# Altium PCB PCB1.PcbDoc (part 1 of 2)
Units mm, origin at the board's own origin, x right, y up, seen from the top; angles counter-clockwise.
Board outline 219.9 x 145 mm, 4 copper layers (Top Layer, AGND, PWR, Bottom Layer), stack 1.747 mm thick; 340 components, 222 nets, 908 pads, 20 vias.
Unrouted connection lines stored in the file: 617.
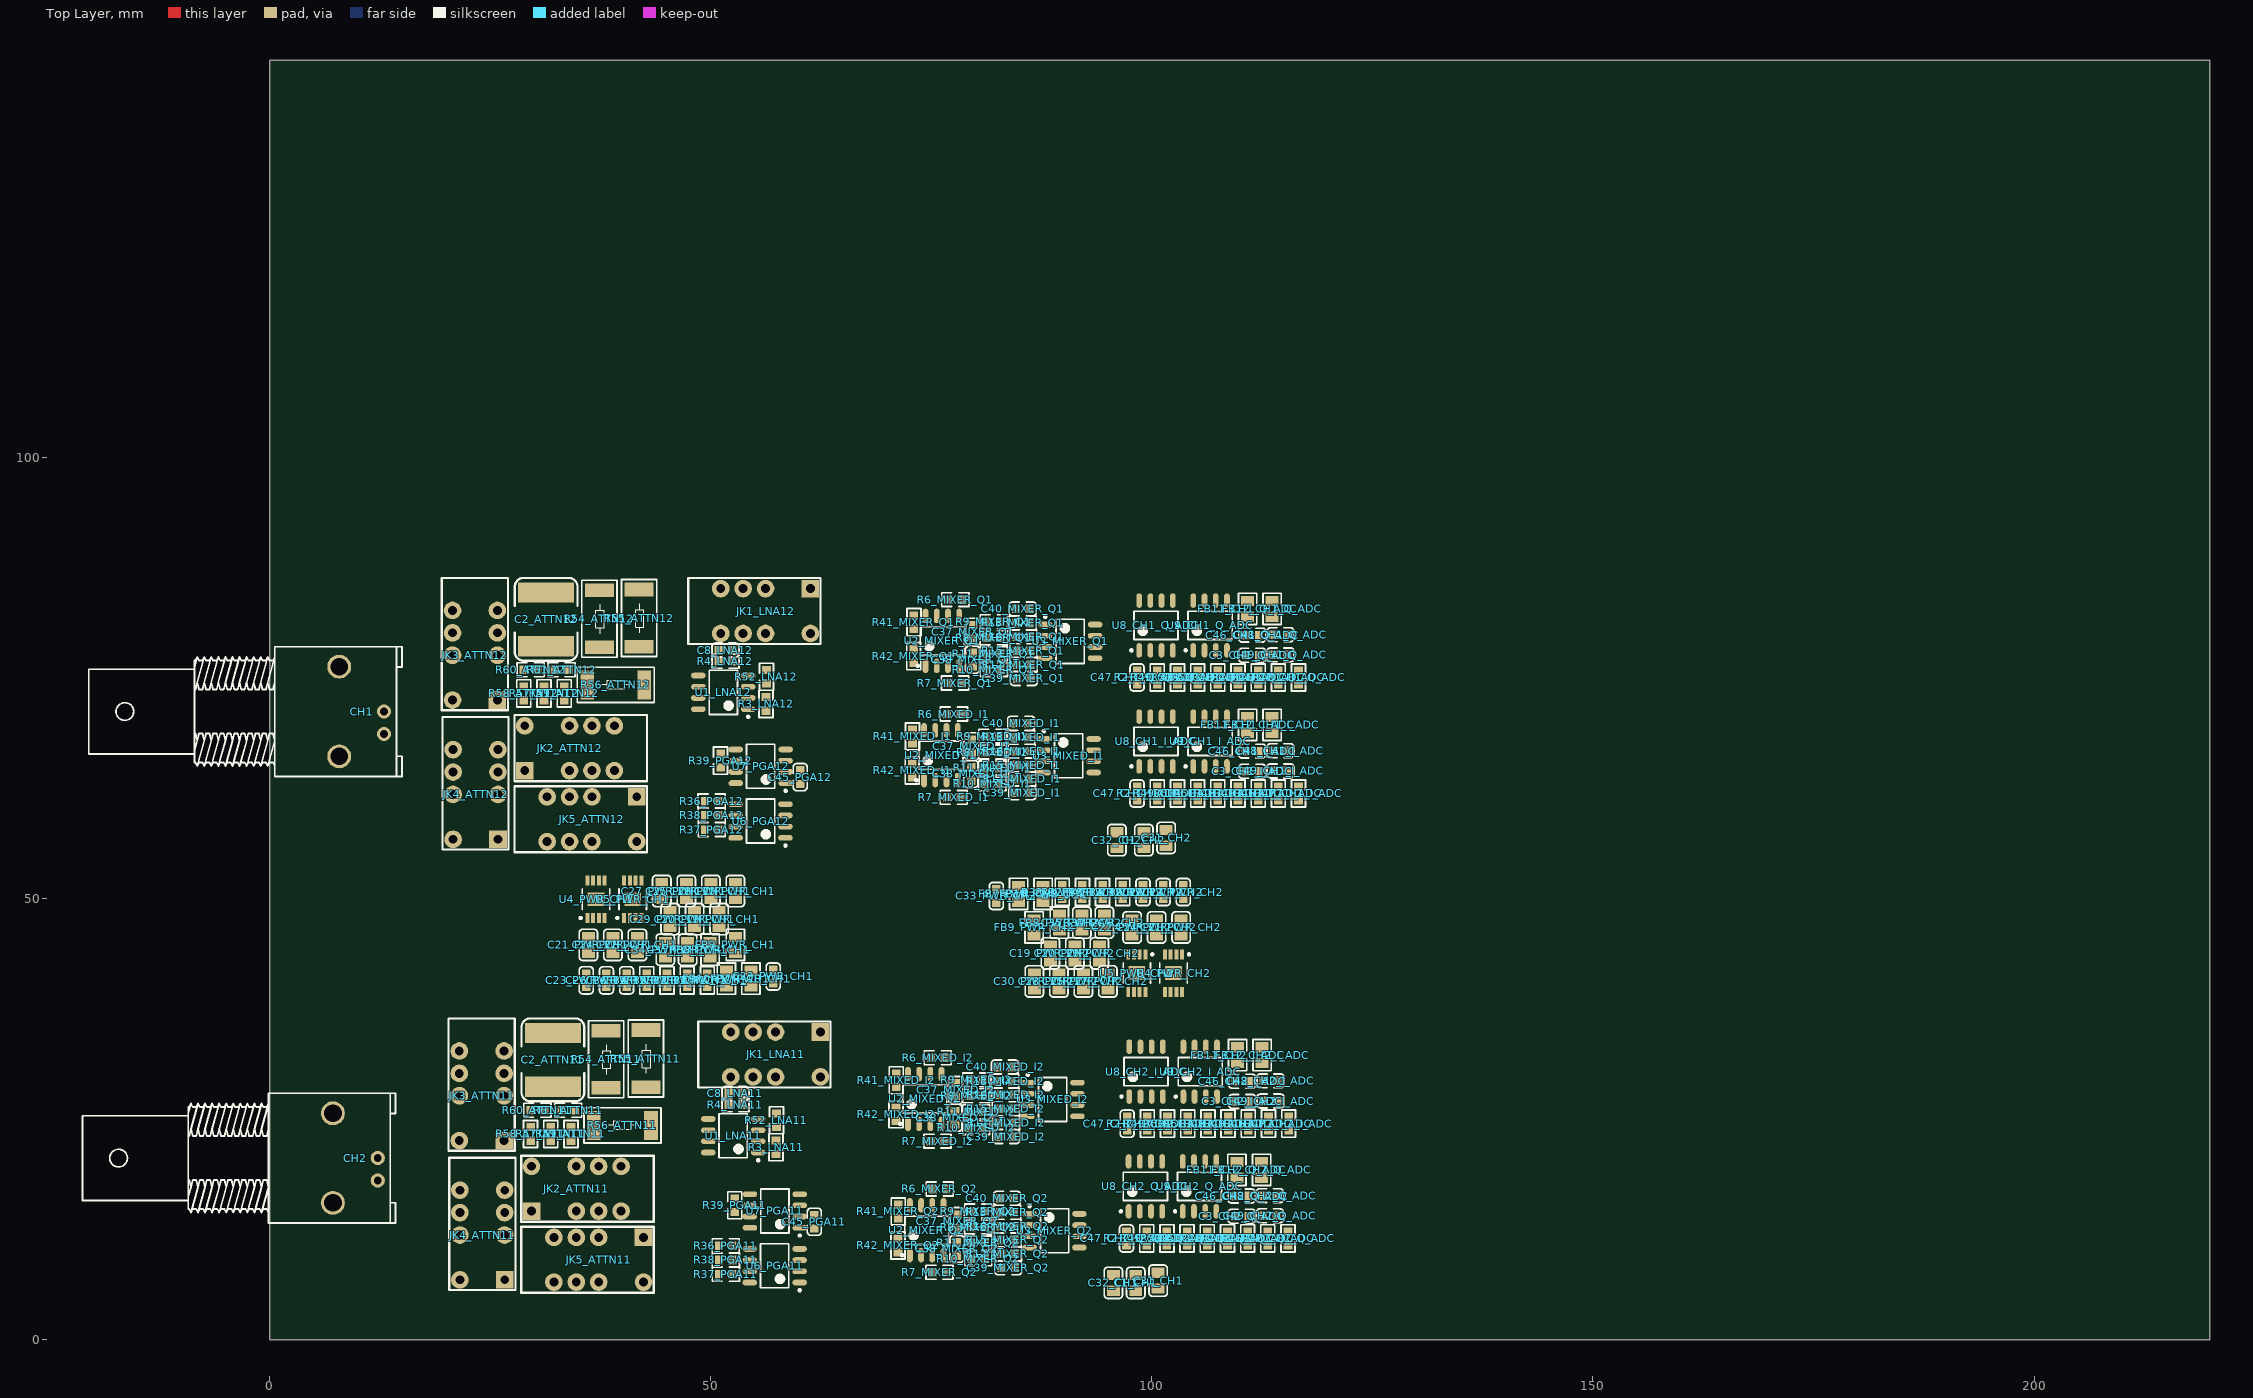
[diagram p0: Top Layer view]
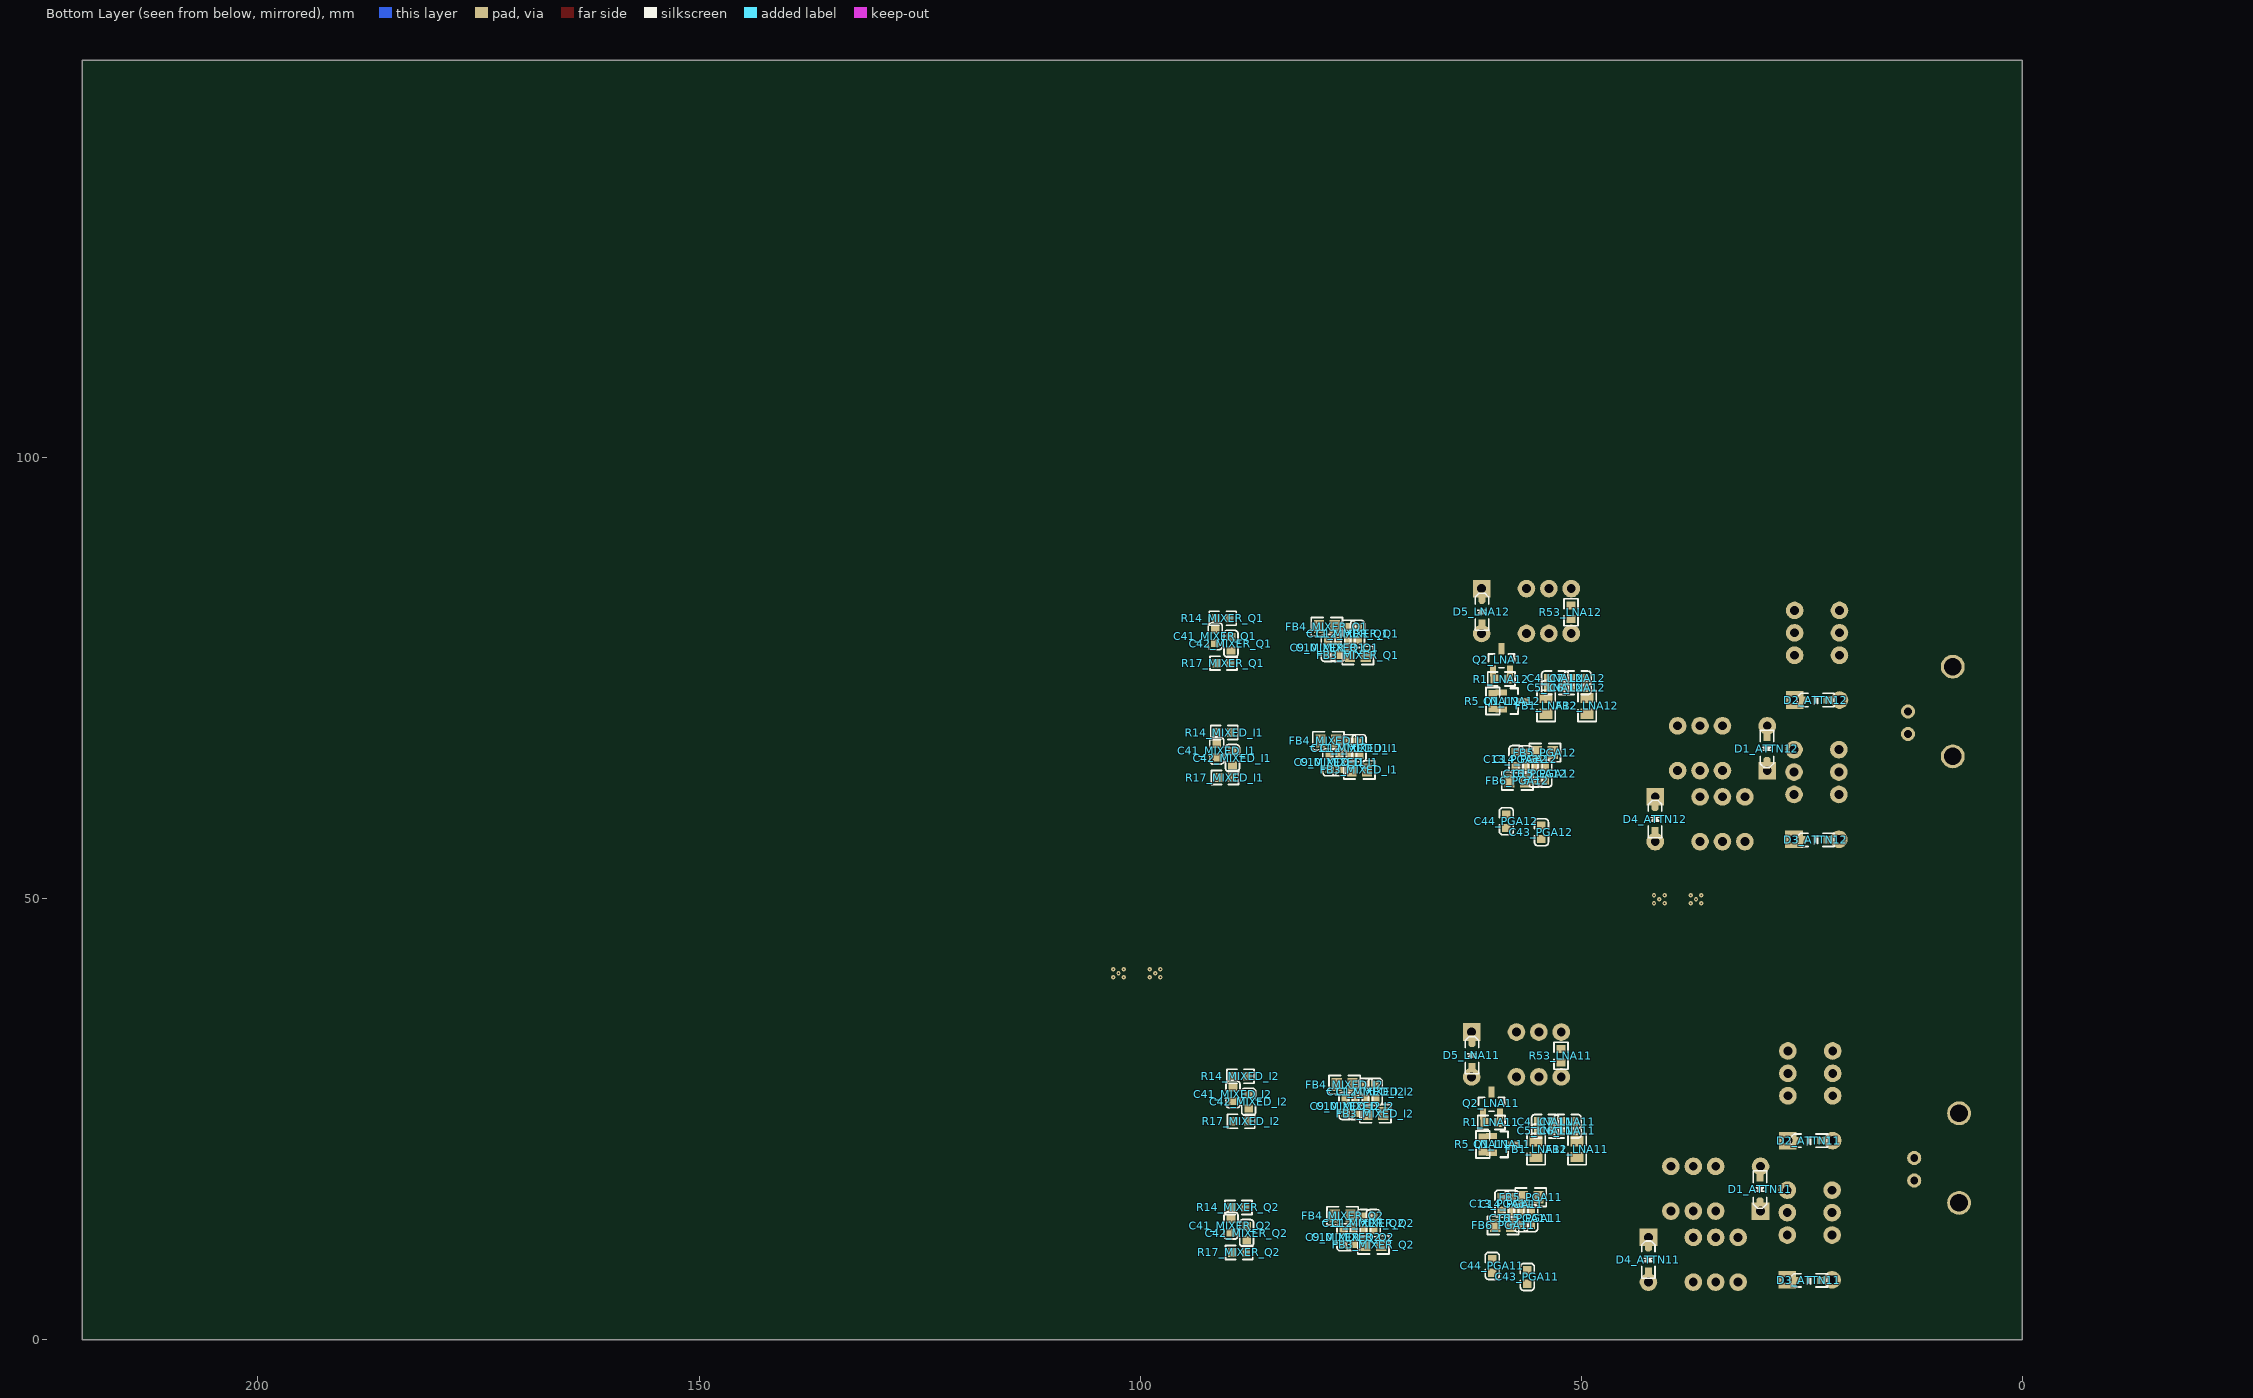
[diagram p1: Bottom Layer view, seen from below]
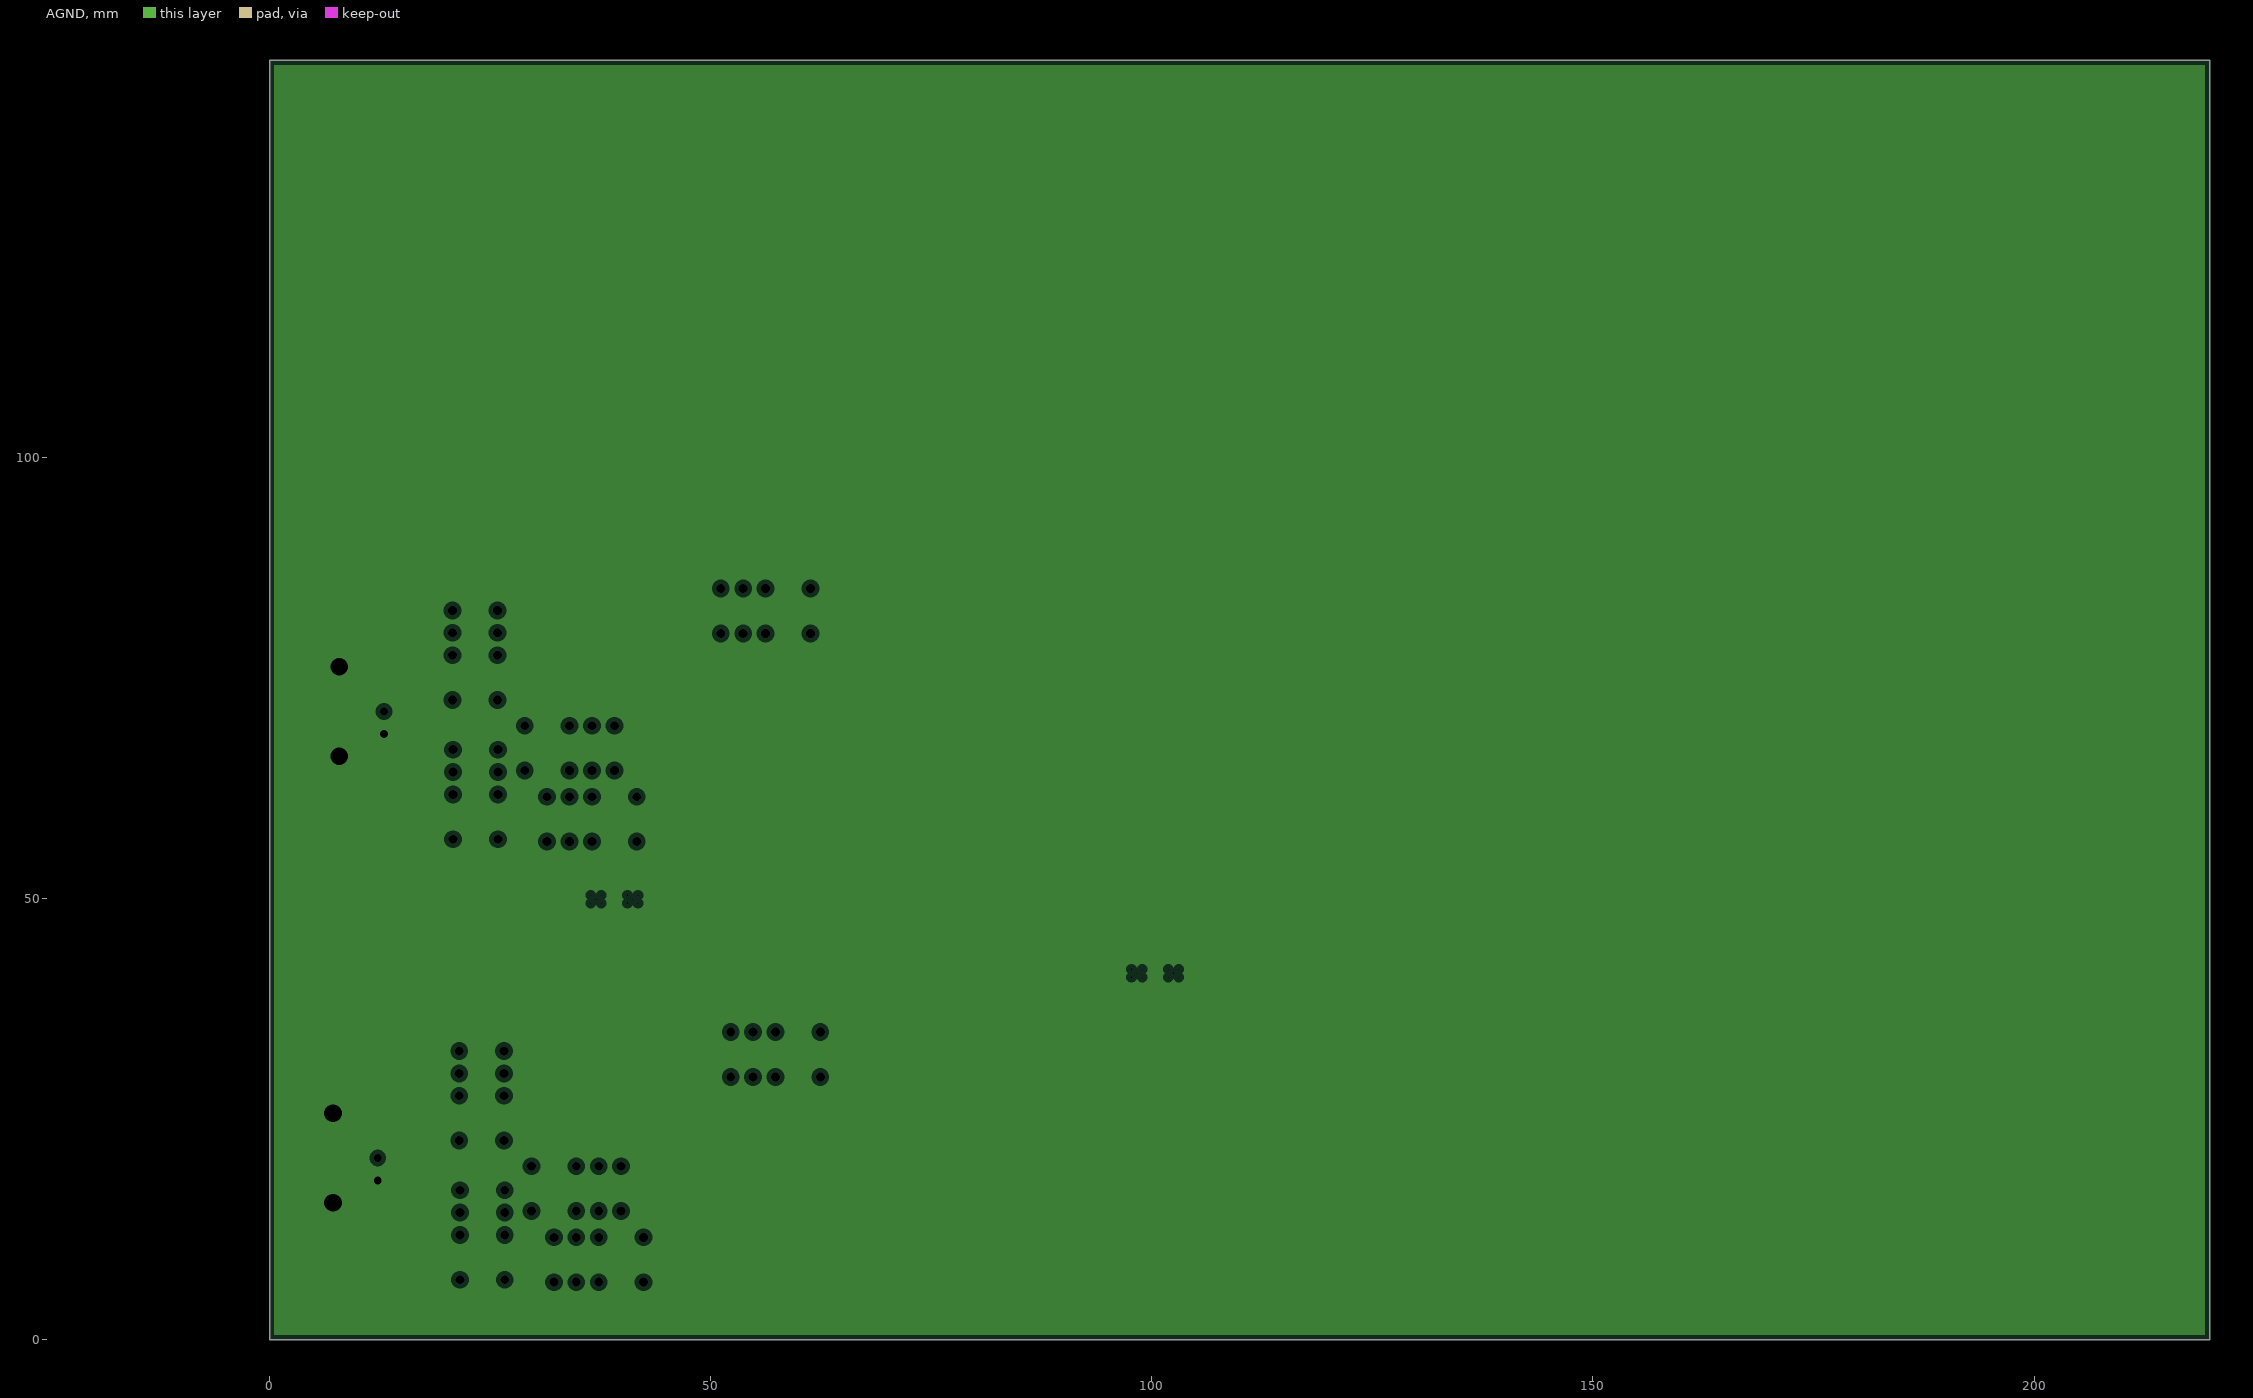
[diagram p2: AGND, clearances drawn from the general rule]
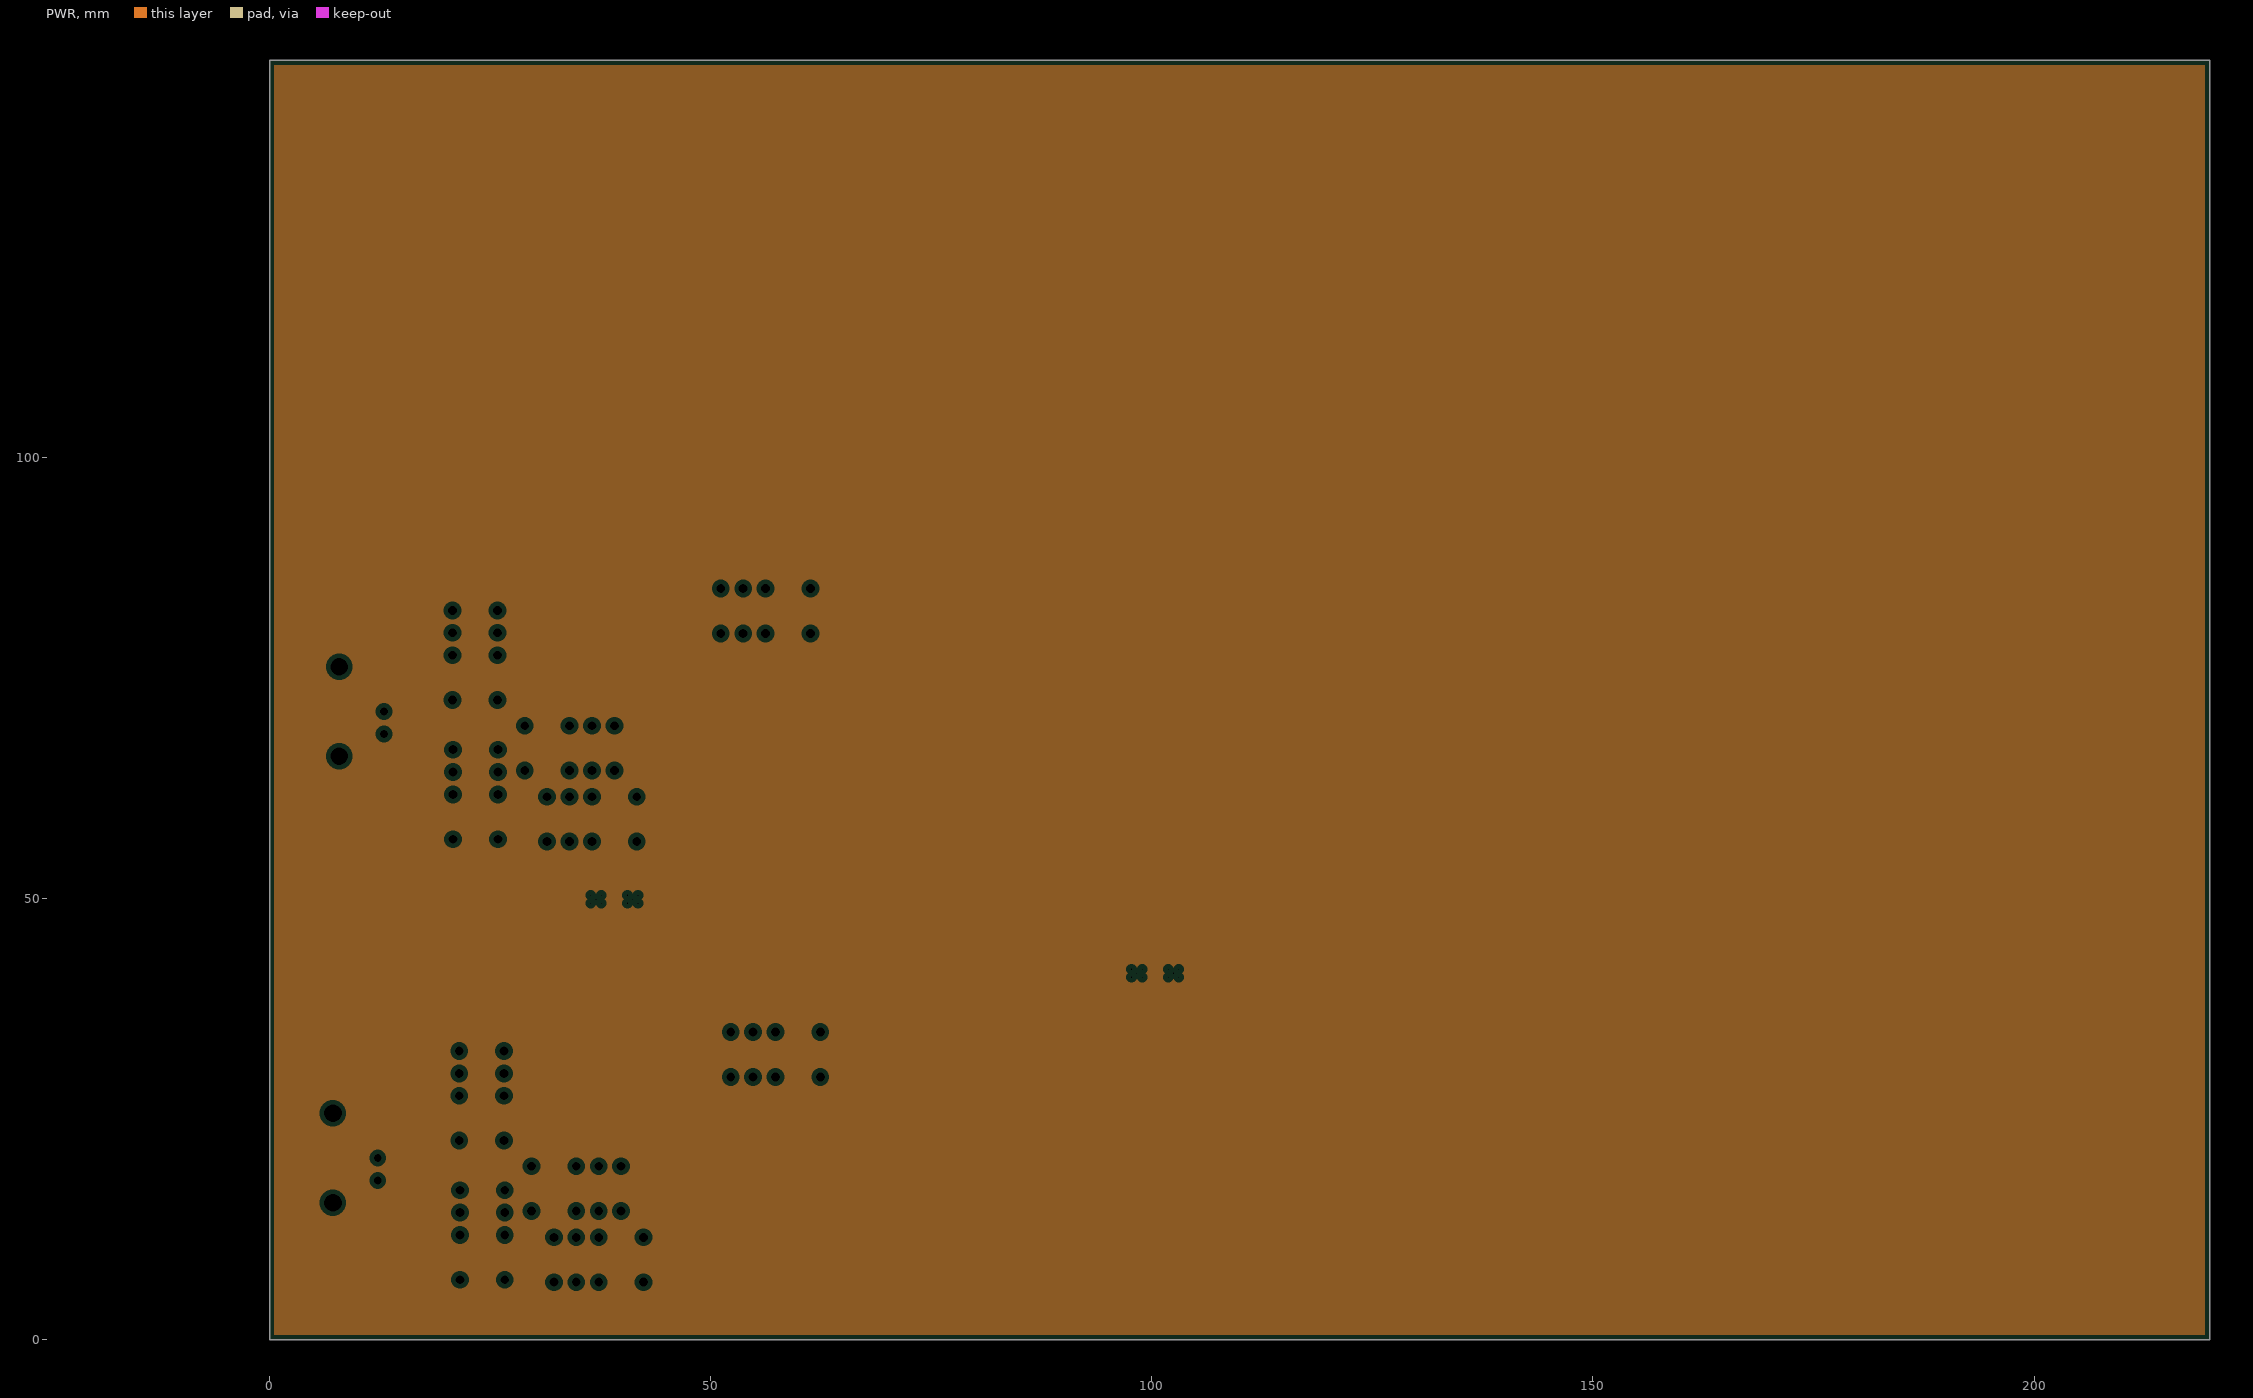
[diagram p3: PWR, clearances drawn from the general rule]

## Layer stack, top to bottom
Top Solder: solder mask 0.015, Solder Resist, Dk 3.5
Top Layer: signal copper 0.035
Dielectric 2: prepreg 0.0711, PP-006, Dk 4.1
AGND: plane copper 0.0175, net AGND
Dielectric 1: dielectric 1.5, FR-4, Dk 4.8
PWR: plane copper 0.0175
Dielectric 3: prepreg 0.0711, PP-006, Dk 4.1
Bottom Layer: signal copper 0.035
Bottom Solder: solder mask 0.015, Solder Resist, Dk 3.5

## Board outline
0,0 0,145 219.9,145 219.9,0

## Design rules (kind name [scope] priority, off if disabled: settings)
Clearance [All] p1: gap=0.152 ignorepadtopadclearanceinfootprint=FALSE
MinimumSolderMaskSliver [All] p1: minsoldermaskwidth=0.127
PlaneClearance [All] p1: clearance=0.508
PlaneConnect [All] p1: planeconnectstyle=Direct reliefexpansion=0.508 reliefentries=4 reliefconductorwidth=0.254 reliefairgap=0.254
PolygonConnect [All] p1: connectstyle=Direct reliefconductorwidth=0.254 reliefentries=4 polygonreliefangle="90 Angle" airgapwidth=0.254
RoomDefinition MIXED_I1 [InComponentClass('MIXED_I1')] p1: confinementstyle=ConfineIn formatcopy=TRUE lockcomponents=FALSE outline 71.575,60.05 95.25,60.05 95.25,71.925 71.575,71.925
RoomDefinition ATTN11 [InComponentClass('ATTN11')] p2: confinementstyle=ConfineIn formatcopy=TRUE lockcomponents=FALSE outline 19.78,4.6 45.075,4.6 45.075,37.042 19.78,37.042
RoomDefinition MIXED_I2 [InComponentClass('MIXED_I2')] p3: confinementstyle=ConfineIn formatcopy=TRUE lockcomponents=FALSE outline 69.743,21.087 93.418,21.087 93.418,32.962 69.743,32.962
RoomDefinition CH1 [InComponentClass('CH1')] p4: confinementstyle=ConfineIn formatcopy=TRUE lockcomponents=FALSE outline 94.365,4.425 102.625,4.425 102.625,8.585 94.365,8.585
RoomDefinition CH2_Q_ADC [InComponentClass('CH2_Q_ADC')] p5: confinementstyle=ConfineIn formatcopy=TRUE lockcomponents=FALSE outline 95.987,9.166 116.975,9.166 116.975,21.625 95.987,21.625
RoomDefinition PGA11 [InComponentClass('PGA11')] p6: confinementstyle=ConfineIn formatcopy=TRUE lockcomponents=FALSE outline 62.75,4.85 62.75,17.92 49.855,17.92 49.855,4.85
RoomDefinition LNA11 [InComponentClass('LNA11')] p7: confinementstyle=ConfineIn formatcopy=TRUE lockcomponents=FALSE outline 48.1,19.035 63.925,19.035 63.925,36.77 48.1,36.77
RoomDefinition CH2 [InComponentClass('CH2')] p8: confinementstyle=ConfineIn formatcopy=TRUE lockcomponents=FALSE outline 94.759,54.61 104.8,54.61 104.8,59.025 94.759,59.025
RoomDefinition CH2_I_ADC [InComponentClass('CH2_I_ADC')] p9: confinementstyle=ConfineIn formatcopy=TRUE lockcomponents=FALSE outline 96.058,22.174 117.046,22.174 117.046,34.633 96.058,34.633
RoomDefinition MIXER_Q2 [InComponentClass('MIXER_Q2')] p10: confinementstyle=ConfineIn formatcopy=TRUE lockcomponents=FALSE outline 69.968,6.212 93.643,6.212 93.643,18.087 69.968,18.087
RoomDefinition PGA12 [InComponentClass('PGA12')] p11: confinementstyle=ConfineIn formatcopy=TRUE lockcomponents=FALSE outline 61.15,55.255 61.15,68.325 48.255,68.325 48.255,55.255
RoomDefinition CH1_I_ADC [InComponentClass('CH1_I_ADC')] p12: confinementstyle=ConfineIn formatcopy=TRUE lockcomponents=FALSE outline 97.183,59.599 118.171,59.599 118.171,72.058 97.183,72.058
RoomDefinition CH1_Q_ADC [InComponentClass('CH1_Q_ADC')] p13: confinementstyle=ConfineIn formatcopy=TRUE lockcomponents=FALSE outline 97.183,72.749 118.171,72.749 118.171,85.208 97.183,85.208
RoomDefinition LNA12 [InComponentClass('LNA12')] p14: confinementstyle=ConfineIn formatcopy=TRUE lockcomponents=FALSE outline 46.969,69.298 62.794,69.298 62.794,87.033 46.969,87.033
RoomDefinition ATTN12 [InComponentClass('ATTN12')] p15: confinementstyle=ConfineIn formatcopy=TRUE lockcomponents=FALSE outline 19.015,54.535 44.31,54.535 44.31,86.977 19.015,86.977
RoomDefinition PWR_CH1 [InComponentClass('PWR_CH1')] p16: confinementstyle=ConfineIn formatcopy=TRUE lockcomponents=FALSE outline 34.743,38.477 58.181,38.477 58.181,53.224 34.743,53.224
RoomDefinition MIXER_Q1 [InComponentClass('MIXER_Q1')] p17: confinementstyle=ConfineIn formatcopy=TRUE lockcomponents=FALSE outline 71.743,73.012 95.418,73.012 95.418,84.887 71.743,84.887
RoomDefinition PWR_CH2 [InComponentClass('PWR_CH2')] p18: confinementstyle=ConfineIn formatcopy=TRUE lockcomponents=FALSE outline 104.713,52.972 81.275,52.972 81.275,38.225 104.713,38.225
RoutingVias [All] p1: holewidth=0.3 width=0.45 viastyle="Through Hole" minholewidth=0.3 minwidth=0.4 maxholewidth=0.3 maxwidth=0.6
SilkToSilkClearance [All] p1: silktosilkclearance=0.127
SilkToSolderMaskClearance [IsPad] p1: minsilkscreentomaskgap=0.152 clearancetoexposedcopper=TRUE
SolderMaskExpansion [All] p1: expansion=0.102 istentingtop=FALSE
SupplyNets "Schematic Supply Nets_7" [InNet('+VDD_ADC_5P0V')] p1: voltage=0.000
SupplyNets "Schematic Supply Nets_6" [InNet('+12')] p2: voltage=0.000
SupplyNets "Schematic Supply Nets_5" [InNet('+DVDD_3P3V')] p3: voltage=0.000
SupplyNets "Schematic Supply Nets_4" [InNet('+VREF_2P5V')] p4: voltage=0.000
SupplyNets "Schematic Supply Nets_3" [InNet('GND')] p5: voltage=0.000
SupplyNets "Schematic Supply Nets_2" [InNet('+AVEE_5P5V')] p6: voltage=0.000
SupplyNets "Schematic Supply Nets_1" [InNet('+AVDD_5P5V')] p7: voltage=0.000
SupplyNets "Schematic Supply Nets" [InNet('AGND')] p8: voltage=0.000
Width [All] p1: maxlimit=25.4 minlimit=0.127 preferedwidth=0.254
25 further rules are at their usual default settings.
